# Altium PCB Waffling60-MX.PcbDoc (part 1 of 3) (continued)
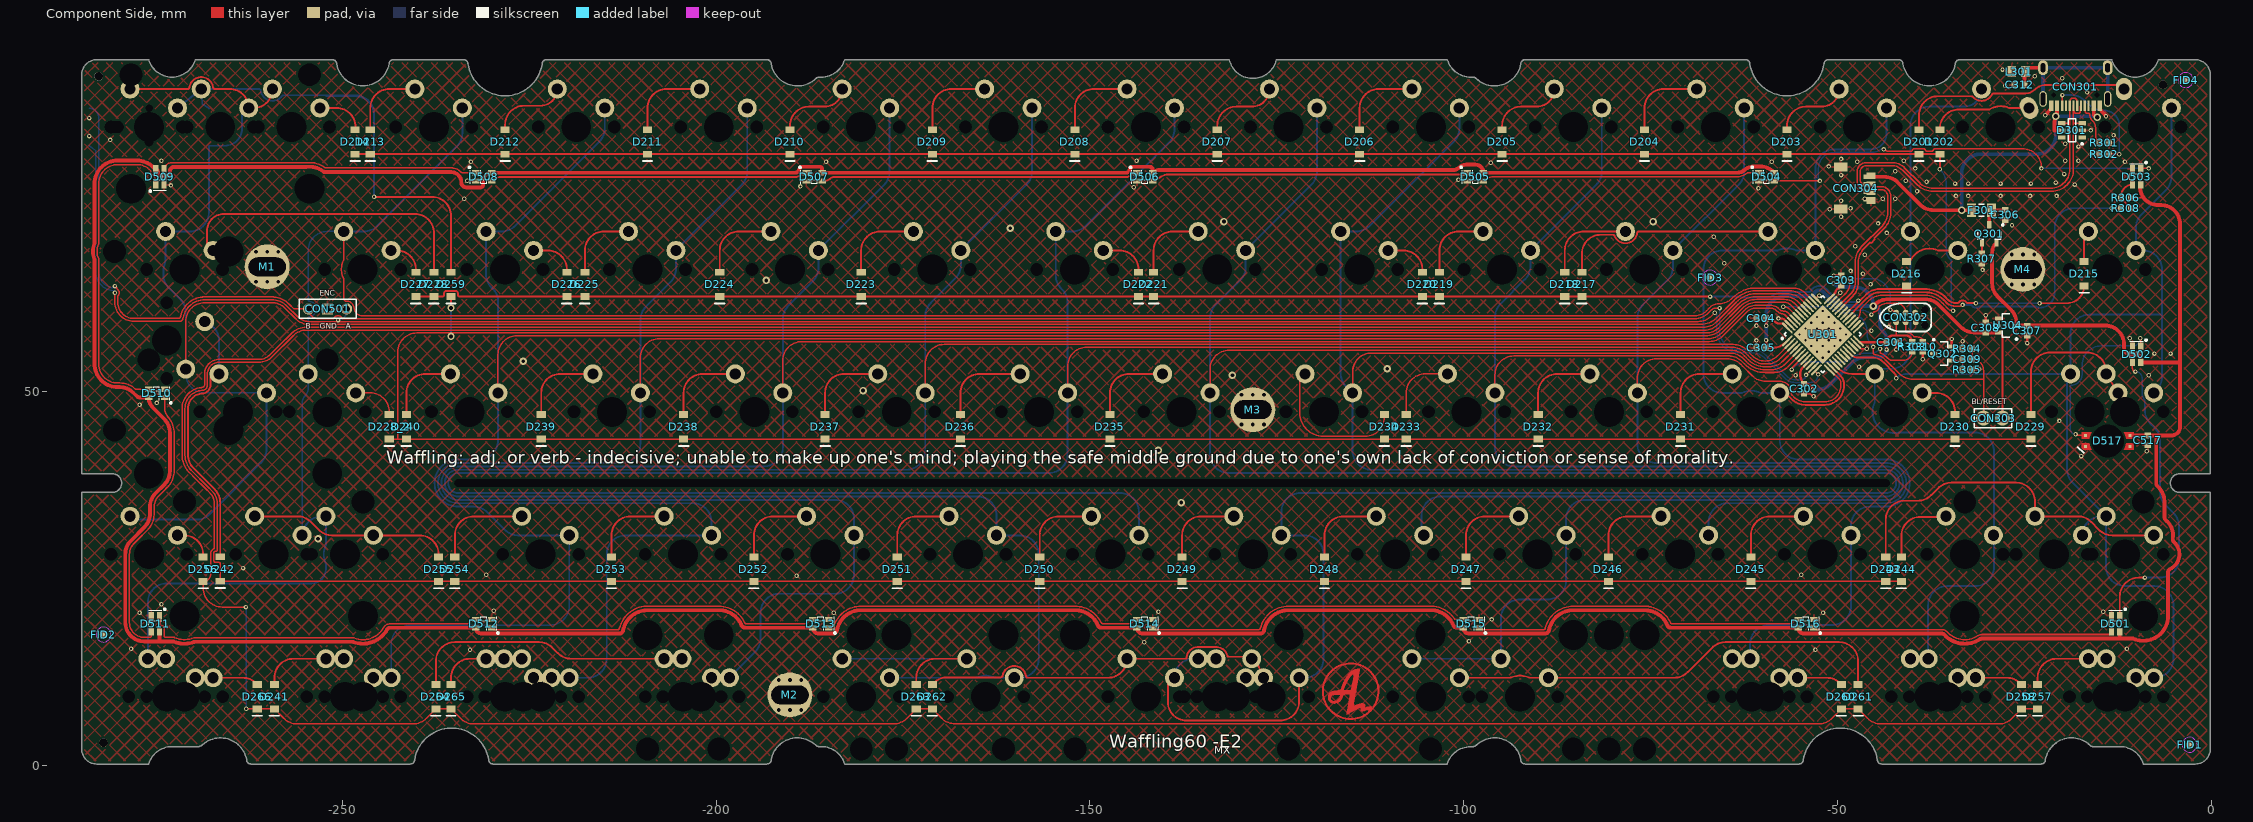
[diagram p0: Component Side view]
## Components (designator, comment, footprint, x,y, rotation, side; value= is the part's Value field where it differs from the comment) (continued)
U304 "XC6206P332MR" SOT-23-3 -27.263,58.871 r180 top
U501 "EC-11 SMD" EC11-SMD -275.85,85.415 r90 bottom locked

## Footprints (in the part's own frame and the unit in brackets; to place one, negate y for a bottom-side part, rotate by r counter-clockwise, add the part's x,y. Pads: shape width x height; smd on the part's side, far side on the other; paste and mask are expansions set on the pad)
C0603[1608] [mm] "Chip Resistor, 2-Leads, Body 1,57x0,80mm, IPC Medium Density"
  rect 0.8x0.85 smd: 1(-0.65,0) 2(0.65,0)
  body extent -0.83,-0.43 0.82,0.43, height 0.5
C1206[3216] [mm]
  rect 1.2x1.8 smd: 1(-1.35,0) 2(1.35,0)
  silkscreen extent -0.35,-0.8 0.35,0.8, body extent -1.6,-0.9 1.6,0.9, height 1.2
EC11-SMD [mm]
  rect 1.5x2 smd: 1(-2.5,8) 2(2.5,8) A(-2.5,-8) B(2.5,-8) C(0,-8)
  rect 2.5x3 smd: M(-6.75,0)
  rect 2.5x2.2 smd: M(6.75,0.508)
  round 0 hole 1.2 unplated: ""(-2,0)
  round 0 hole 1.6 slot 2.2 at 90 deg unplated: ""(0,-4.5)
  round 0 hole 2.1 unplated: ""(0,0)
  round 0 hole 1 unplated: ""(2.5,0)
Fiducial_Nordic [mm]
  round 1 smd paste+0 mask+0.5: 0(0,0)
  Component Side keep-out circle w0.01: c0,0 r1
HDR1X2 [mm] "Connector; Header; 2 Position"
  round 2 hole 0.9 mask+0.102: 1(0,0) 2(2.54,0)
  silkscreen extent -1.27,-1.27 3.81,1.27
HDR1X3 [mm] "Connector; Header; 3 Position"
  round 1.5 hole 0.9 mask+0.102: 1(0,0) 3(5.08,0)
  rect 1.5x1.5 hole 0.9 mask+0.102: 2(2.54,0)
  silkscreen extent -1.27,-1.27 6.35,1.27
L0805 [mm] "based on Sunlord-GZ2012D101TF_C1015 datasheet"
  rect 1.16x1.47 smd: 1(-0.92,0) 2(0.92,0)
  body extent -1.15,-0.72 1.15,0.72, height 1.02
mounting_hole [mm]
  round 1 hole 0.5 paste+0 mask+0: 1(-1.5,-2) 1(-1.5,2) 1(0,-2) 1(0,2) 1(1.5,-2) 1(1.5,2)
  round 6 hole 2.5 slot 5 at 0 deg mask+0: 1(0,0)
MX-switch#1 [mm]
  oval 2.2x3 hole 1.5 rot 155 mask+0.102: 1(-3.81,2.54)
  round 2.54 hole 1.5 mask+0.102: 2(2.54,5.08)
  round 1 hole 1.7 unplated: ""(-5.08,0) ""(5.08,0)
  round 1 hole 4 unplated: ""(0,0)
MX-switch#2 [mm]
  round 2.54 hole 1.5 mask+0.102: 1(-3.81,2.54) 2(2.54,5.08)
  round 1 hole 1.7 unplated: ""(-5.08,0) ""(5.08,0)
  round 1 hole 4 unplated: ""(0,0)
MX-SWITCH [mm]
  round 2.54 hole 1.5 mask+0.102: 1(-3.81,2.54) 2(2.54,5.08)
  round 1 hole 1.7 unplated: ""(-5.08,0) ""(5.08,0)
  round 1 hole 4 unplated: ""(0,0)
"MX-switch - 1.5U" [mm]
  round 2.54 hole 1.5 mask+0.102: 1(-3.81,2.54) 2(2.54,5.08)
  round 1 hole 1.7 unplated: ""(-5.08,0) ""(5.08,0)
  round 1 hole 4 unplated: ""(0,0)
  round 1 on Mech14: ""(0,0)
"MX-SWITCH - 1.5U MOD-L" [mm]
  round 2.54 hole 1.5 mask+0.102: 1(-6.191,2.54) 1(-3.81,2.54) 2(0.159,5.08) 2(2.54,5.08)
  round 1 hole 1.7 unplated: ""(-7.461,0) ""(-5.08,0) ""(2.699,0) ""(5.08,0)
  round 1 on Mech14: ""(-4.763,0) ""(-2.381,0) ""(0,0) ""(4.763,0)
  round 1 hole 4 unplated: ""(-2.381,0) ""(0,0)
"MX-SWITCH - 1.5U MOD-R" [mm]
  round 2.54 hole 1.5 mask+0.102: 1(-3.81,2.54) 1(-1.429,2.54) 2(2.54,5.08) 2(4.921,5.08)
  round 1 hole 1.7 unplated: ""(-5.08,0) ""(-2.699,0) ""(5.08,0) ""(7.461,0)
  round 1 on Mech14: ""(-2.381,0) ""(0,0) ""(2.381,0) ""(4.763,0)
  round 1 hole 4 unplated: ""(0,0) ""(2.381,0)
"MX-SWITCH - 1U MOD-L" [mm]
  round 2.54 hole 1.5 mask+0.102: 1(-6.191,2.54) 1(-3.81,2.54) 2(0.159,5.08) 2(2.54,5.08)
  round 1 hole 1.7 unplated: ""(-7.461,0) ""(-5.08,0) ""(2.699,0) ""(5.08,0)
  round 1 hole 4 unplated: ""(-2.381,0) ""(0,0)
  round 1 on Mech14: ""(-2.381,0) ""(0,0) ""(2.381,0)
"MX-SWITCH - 1U MOD-R" [mm]
  round 2.54 hole 1.5 mask+0.102: 1(-3.81,2.54) 1(-1.429,2.54) 2(2.54,5.08) 2(4.921,5.08)
  round 1 hole 1.7 unplated: ""(-5.08,0) ""(-2.699,0) ""(5.08,0) ""(7.461,0)
  round 1 on Mech14: ""(-4.763,0) ""(-2.381,0) ""(0,0) ""(2.381,0)
  round 1 hole 4 unplated: ""(0,0) ""(2.381,0)
"MX-switch - 3U - rotated stab" [mm]
  round 2.54 hole 1.5 mask+0.102: 1(-3.81,2.54) 2(2.54,5.08)
  round 1.524 hole 3.048 unplated: ""(-19.05,-6.985) ""(19.05,-6.985)
  round 1.524 hole 4 unplated: ""(-19.05,8.255) ""(19.05,8.255)
  round 1 hole 1.7 unplated: ""(-5.08,0) ""(5.08,0)
  round 1 hole 4 unplated: ""(0,0)
  round 1 on Mech14: ""(0,0)
"MX-switch - backspace" [mm]
  round 2.54 hole 1.5 mask+0.102: 1(2.54,5.08) 1(5.715,2.54) 2(-3.81,2.54) 2(12.065,5.08)
  round 1.524 hole 4 unplated: ""(-11.938,-8.255) ""(11.938,-8.255)
  round 1.524 hole 3.048 unplated: ""(-11.938,6.985) ""(11.938,6.985)
  round 1 hole 1.7 unplated: ""(-5.08,0) ""(4.445,0) ""(5.08,0) ""(14.605,0)
  round 1 hole 4 unplated: ""(0,0) ""(9.525,0)
  round 1 on Mech14: ""(0,0) ""(9.525,0)
"MX-SWITCH - CAPS" [mm]
  round 2.54 hole 1.5 mask+0.102: 1(-8.572,2.54) 1(2.54,5.08) 2(-3.81,2.54) 2(-2.222,5.08)
  round 1 hole 1.7 unplated: ""(-9.842,0) ""(5.08,0)
  round 1 hole 4 unplated: ""(-4.763,0) ""(0,0)
  round 1 on Mech14: ""(-4.763,0) ""(0,0)
"MX-SWITCH - L SPLIT SPACE_V2" [mm]
  round 2.54 hole 1.5 mask+0.102: 1(13.335,-2.54) 2(6.985,-5.08)
  round 1.524 hole 4 unplated: ""(-2.413,-8.255)
  round 1.524 hole 3.048 unplated: ""(-2.413,6.985)
  round 1 hole 1.7 unplated: ""(4.445,0) ""(14.605,0)
  round 1 hole 4 unplated: ""(9.525,0)
  round 1 on Mech14: ""(9.525,0)
"MX-SWITCH - LEFT SHIFT" [mm]
  round 2.54 hole 1.5 mask+0.102: 1(-13.335,2.54) 1(2.54,5.08) 2(-6.985,5.08) 2(-3.81,2.54)
  round 1 hole 1.7 unplated: ""(-14.605,0) ""(-5.08,0) ""(-4.445,0) ""(5.08,0)
  round 1.524 hole 4 unplated: ""(-11.938,-8.255) ""(11.938,-8.255)
  round 1.524 hole 3.048 unplated: ""(-11.938,6.985) ""(11.938,6.985)
  round 1 hole 4 unplated: ""(-9.525,0) ""(0,0)
  round 1 on Mech14: ""(-9.525,0) ""(0,0)
"MX-SWITCH - R SPLIT SPACE_V2" [mm]
  round 2.54 hole 1.5 mask+0.102: 1(3.81,-2.54) 2(-2.54,-5.08)
  round 1.524 hole 4 unplated: ""(-11.938,-8.255) ""(11.938,-8.255)
  round 1.524 hole 3.048 unplated: ""(-11.938,6.985) ""(11.938,6.985)
  round 1 hole 1.7 unplated: ""(-5.08,0) ""(5.08,0)
  round 1 hole 4 unplated: ""(0,0)
  round 1 on Mech14: ""(0,0)
"MX-SWITCH - RIGHT SHIFT" [mm]
  round 2.54 hole 1.5 mask+0.102: 1(-13.335,2.54) 1(2.54,5.08) 2(-6.985,5.08) 2(-3.81,2.54)
  round 1 hole 1.7 unplated: ""(-14.605,0) ""(-5.08,0) ""(-4.445,0) ""(5.08,0)
  round 1.524 hole 4 unplated: ""(-11.938,-8.255) ""(11.938,-8.255)
  round 1.524 hole 3.048 unplated: ""(-11.938,6.985) ""(11.938,6.985)
  round 1 hole 4 unplated: ""(-9.525,0) ""(0,0)
  round 1 on Mech14: ""(-9.525,0) ""(0,0)
"MX-SWITCH - SPACE_V3" [mm]
  round 2.54 hole 1.5 mask+0.102: 1(-20.486,2.54) 1(-9.366,5.08) 1(-3.81,2.54) 2(-15.716,2.54) 2(-14.136,5.08) 2(2.54,5.08)
  round 1.524 hole 3.048 unplated: ""(-61.91,-6.985) ""(-57.15,-6.985) ""(38.09,-6.985) ""(57.15,-6.985)
  round 1.524 hole 4 unplated: ""(-61.91,8.255) ""(-57.15,8.255) ""(38.09,8.255) ""(57.15,8.255)
  round 1 hole 1.7 unplated: ""(-21.756,0) ""(-6.826,0) ""(-5.08,0) ""(5.08,0)
  round 1 hole 4 unplated: ""(-16.676,0) ""(-11.906,0) ""(0,0)
  round 1 on Mech14: ""(-16.676,0) ""(-11.906,0) ""(0,0)
"MX-switch - switched pol"#1 [mm]
  oval 2.2x3 hole 1.5 mask+0.102: 1(2.54,5.08)
  round 2.54 hole 1.5 mask+0.102: 2(-3.81,2.54)
  round 1 hole 1.7 unplated: ""(-5.08,0) ""(5.08,0)
  round 1 hole 4 unplated: ""(0,0)
"MX-switch - switched pol"#2 [mm]
  round 2.54 hole 1.5 mask+0.102: 1(2.54,5.08) 2(-3.81,2.54)
  round 1 hole 1.7 unplated: ""(-5.08,0) ""(5.08,0)
  round 1 hole 4 unplated: ""(0,0)
"MX-SWITCH - SWITCHED POL" [mm]
  round 2.54 hole 1.5 mask+0.102: 1(2.54,5.08) 2(-3.81,2.54)
  round 1 hole 1.7 unplated: ""(-5.08,0) ""(5.08,0)
  round 1 hole 4 unplated: ""(0,0)
R0603[1608] [mm] "Chip Resistor, 2-Leads, Body 1,57x0,80mm, IPC Medium Density"
  rect 0.8x0.85 smd: 1(-0.65,0) 2(0.65,0)
  body extent -0.83,-0.43 0.82,0.43, height 0.5
"SK6812MINI-E - shaped" [mm]
  rect 0.4x0.4 smd: 1(3,0.75) 2(3,-0.75) 3(-3,-0.75) 4(-3,0.75)
  round 1 hole 4.4 unplated: ""(0,0)
  Component Side region: -3.5,0.304 -3.5,1.195 -2.157,1.195 -2.345,0.764 -2.447,0.304 -2.447,0.304 -2.449,0.304
  Component Side region: 2.447,0.304 2.345,0.764 2.157,1.195 2.157,1.195 3.5,1.195 3.5,0.304
  Component Side region: 2.157,-1.195 3.5,-1.195 3.5,-0.304 2.449,-0.304 2.447,-0.304 2.345,-0.764 2.157,-1.195
  Component Side region: -3.25,-1.195 -3.5,-0.945 -3.5,-0.304 -2.449,-0.304 -2.447,-0.304 -2.345,-0.764 -2.157,-1.195 -2.157,-1.195
  silkscreen extent -4.06,-1.65 -3.17,-0.76, body extent -2.94,-1.4 2.94,1.4, height 0.94
SOD-123 [mm]
  rect 0.91x1.22 smd: 1(1.635,0) 2(-1.635,0)
  silkscreen extent -2.54,-0.64 -2.54,0.63, body extent -1.87,-0.85 1.88,0.85, height 1.2
SOT-23-3 [mm] "3.3v regulator, used in Windsond S2 proto 1"
  rect 1x0.55 smd: 1(1.2,-0.95) 2(1.2,0.95) 3(-1.2,0)
  silkscreen extent -1.32,-1.55 0.7,1.95, body extent -1.1,-1.5 1.45,1.5, height 1
SOT-23-6 [mm]
  rect 1x0.55 smd: 1(1.375,-0.95) 2(1.375,0) 3(1.375,0.95) 4(-1.375,0.95) 5(-1.375,0) 6(-1.375,-0.95)
  silkscreen extent -0.46,-1.92 1.5,1.55, body extent -1.47,-1.49 1.37,1.44, height 1.05
"Stab 2u" [mil]
  round 60 hole 157.48 unplated: ""(-470,-325) ""(470,-325)
  round 60 hole 120 unplated: ""(-470,275) ""(470,275)
  round 39.37 on Mech14: ""(0,0) ""(0,0)
"Stab 10U" [mil]
  round 60 hole 157.48 unplated: ""(-2625,-325) ""(2625,-325)
  round 60 hole 120 unplated: ""(-2625,275) ""(2625,275)
  round 39.37 on Mech14: ""(0,0)
"STM32 - COMBO 7X7MM" [mm] "LQFP48, 7x7mm"
  oval 0.3x1.45 smd paste-5: 1(-2.75,-4.225) 2(-2.25,-4.225) 3(-1.75,-4.225) 4(-1.25,-4.225) 5(-0.75,-4.225) 6(-0.25,-4.225) 7(0.25,-4.225) 8(0.75,-4.225) 9(1.25,-4.225) 10(1.75,-4.225) 11(2.25,-4.225) 12(2.75,-4.225) 25(2.75,4.225) 26(2.25,4.225) 27(1.75,4.225) 28(1.25,4.225) 29(0.75,4.225) 30(0.25,4.225) 31(-0.25,4.225) 32(-0.75,4.225) 33(-1.25,4.225) 34(-1.75,4.225) 35(-2.25,4.225) 36(-2.75,4.225)
  oval 0.25x0.8 smd: 1(-2.75,-3.4) 2(-2.25,-3.4) 3(-1.75,-3.4) 4(-1.25,-3.4) 5(-0.75,-3.4) 6(-0.25,-3.4) 7(0.25,-3.4) 8(0.75,-3.4) 9(1.25,-3.4) 10(1.75,-3.4) 11(2.25,-3.4) 12(2.75,-3.4) 25(2.75,3.4) 26(2.25,3.4) 27(1.75,3.4) 28(1.25,3.4) 29(0.75,3.4) 30(0.25,3.4) 31(-0.25,3.4) 32(-0.75,3.4) 33(-1.25,3.4) 34(-1.75,3.4) 35(-2.25,3.4) 36(-2.75,3.4)
  oval 0.8x0.25 smd: 13(3.4,-2.75) 14(3.4,-2.25) 15(3.4,-1.75) 16(3.4,-1.25) 17(3.4,-0.75) 18(3.4,-0.25) 19(3.4,0.25) 20(3.4,0.75) 21(3.4,1.25) 22(3.4,1.75) 23(3.4,2.25) 24(3.4,2.75) 37(-3.4,2.75) 38(-3.4,2.25) 39(-3.4,1.75) 40(-3.4,1.25) 41(-3.4,0.75) 42(-3.4,0.25) 43(-3.4,-0.25) 44(-3.4,-0.75) 45(-3.4,-1.25) 46(-3.4,-1.75) 47(-3.4,-2.25) 48(-3.4,-2.75)
  oval 1.45x0.3 smd paste-5: 13(4.225,-2.75) 14(4.225,-2.25) 15(4.225,-1.75) 16(4.225,-1.25) 17(4.225,-0.75) 18(4.225,-0.25) 19(4.225,0.25) 20(4.225,0.75) 21(4.225,1.25) 22(4.225,1.75) 23(4.225,2.25) 24(4.225,2.75) 37(-4.225,2.75) 38(-4.225,2.25) 39(-4.225,1.75) 40(-4.225,1.25) 41(-4.225,0.75) 42(-4.225,0.25) 43(-4.225,-0.25) 44(-4.225,-0.75) 45(-4.225,-1.25) 46(-4.225,-1.75) 47(-4.225,-2.25) 48(-4.225,-2.75)
  rect 5.6x5.6 smd: 47(0,0)
  silkscreen extent -3.65,-4.35 3.65,3.65, body extent -3.52,-3.52 3.52,3.52, height 0.5
TC2030-IDC-NL [mm] "Tag-Connect 6-Pin with No Legs (PN# TC2030-IDC-NL)"
  round 0.9 hole 0.995 unplated: 0(-2.54,0) 0(2.54,-1.016) 0(2.54,1.016)
  round 0.79 smd paste-0.39: 1(-1.27,-0.635) 2(-1.27,0.635) 3(0,-0.635) 4(0,0.635) 5(1.35,-0.635) 6(1.27,0.635)
  silkscreen extent -3.43,-1.91 3.43,1.9
TYPE-C-31-M-12 [mm]
  rect 0.6x1.45 smd: A1B12(-3.25,0) A4B9(-2.45,0) B1A12(3.25,0) B4A9(2.45,0)
  rect 0.3x1.45 smd: A5(-1.25,0) A6(-0.25,0) A7(0.25,0) A8(1.25,0) B5(1.75,0) B6(0.75,0) B7(-0.75,0) B8(-1.75,0)
  oval 1x2.1 / inner oval 1.3x2.4 / far side oval 1.3x2.4 hole 0.6 slot 1.7 at 90 deg: S1(-4.32,-0.915)
  oval 1.3x2 hole 0.6 slot 1.2 at 90 deg: S1(-4.32,-5.095) S1(4.32,-5.095)
  oval 1x2.1 hole 0.6 slot 1.7 at 90 deg: S1(4.32,-0.915)
  round 0 hole 0.65 unplated: ""(-2.89,-1.445) ""(2.89,-1.445)
  body extent -4.47,-7.72 4.47,0.18, height 3.21
UDB_COMBO_JST_MOLEX [mm]
  rect 0.6x1.2 smd: 1(-1.8,2.2) 2(-0.6,2.2) 3(0.6,2.2) 4(1.8,2.2)
  rect 0.6x1.55 smd: 1(-1.5,2.021) 2(-0.5,2.021) 3(0.5,2.021) 4(1.5,2.021)
  rect 0.85x1 smd: 5(-2.94,-1.887) 5(2.94,-1.887)
  rect 1.2x1.8 smd: 5(-2.8,-1.854) 5(2.8,-1.854)
  body extent -3.01,-2.62 2.99,2.33, height 2.96
"WS2812B - 2020" [mm]
  rect 1x0.7 smd: 1(1.065,0.55) 2(-1.065,0.55) 3(-1.065,-0.55) 4(1.065,-0.55)
  silkscreen extent -2.03,-0.89 0.38,1.4, body extent -1.1,-1 1.1,1, height 0.86

## Part data
C301 C302 C303 C304 C305 C312 C517: library part Cap, "Capacitor", LCSC MFG=YAGEO, LCSC Part #=C14663, MRF.Part=CC0603KRX7R9BB104, Version="0603 imperial"
C306 C309: library part Cap, "Capacitor", LCSC MFG="Samsung Electro-Mechanics", LCSC Part #=C19666, MRF.Part=CL10A475KO8NNNC, Version="0603 imperial"
C307 C308: library part Cap, "Capacitor", LCSC MFG="Samsung Electro-Mechanics", LCSC Part #=C15849, MRF.Part=CL10A105KB8NNNC, Version="0603 imperial"
C310: library part Cap, "Capacitor", LCSC MFG="Samsung Electro-Mechanics", LCSC Part #=C1623, MRF.Part=CL10B474KA8NNNC, Version="0603 imperial"
CON301: LCSC MFG="Korean Hroparts Elec", LCSC Part #=C165948, MRF.Part=TYPE-C-31-M-12
CON302: library part "Header 3X2", "Header, 3-Pin, Dual row"
CON303: "Header, 2-Pin"
CON304: "JST for USB daughter board", LCSC MFG="BOOMELE(Boom Precision Elec)", LCSC Part #=C145956, MRF.Part=C145956
CON501: "Header, 3-Pin"
D201 D202 D203 D204 D205 D206 D207 D208 D209 D210 D211 D212 D213 D214 D215 D216 D217 D218 D219 D220 D221 D222 D223 D224 D225 D226 D227 D228 D228_2 D229 D230 D231 D232 D233 D234 D235 D236 D237 D238 D239 D240 D241 D242 D243 D244 D245 D246 D247 D248 D249 D250 D251 D252 D253 D254 D255 D256 D257 D258 D259 D260 D261 D262 D263 D264 D265 D266: "Default Diode", LCSC MFG=ST(Semtech), LCSC Part #=C81598, MRF.Part=1N4148W, Version=SOD-123
D301: LCSC MFG="ProTek Devices", LCSC Part #=C85364, MRF.Part=SRV05-4-P-T7
D501 D502 D503 D504 D505 D506 D507 D508 D509 D510 D511 D512 D513 D514 D515 D516: library part WS2812B, LCSC MFG=Worldsemi, LCSC Part #=C965555, MRF.Part=WS2812B-2020
D517: LCSC MFG=TONYU, LCSC Part #=C524051, MRF.Part=DY-S352818/RGBC/6812-2T
F301: "Thermal Fuse", LCSC MFG="Shenzhen JDT Fuse", LCSC Part #=C135338, MRF.Part=ASMD1206-050
L301: LCSC MFG=Sunlord, LCSC Part #=C1015, MRF.Part=GZ2012D101TF, Version="0806 imperial"
Q301: "P-Channel Power MOSFET", LCSC MFG="Vishay Intertech", LCSC Part #=C10487, MRF.Part=SI2301CDS-T1-GE3, Version=SOT23-3
Q302: library part MOSFET-N, "N-Channel MOSFET", LCSC MFG="Changjiang Electronics Tech (CJ)", LCSC Part #=C8545, MRF.Part=2N7002
R301 R302: "Resistor", LCSC MFG="Uniroyal Elec", LCSC Part #=C23186, MRF.Part=0603WAF5101T5E, Version="0603 imperial"
R303 R304 R306 R307: "Resistor", LCSC MFG="Uniroyal Elec", LCSC Part #=C25804, MRF.Part=0603WAF1002T5E, Version="0603 imperial"
R305: "Resistor", LCSC MFG="Uniroyal Elec", LCSC Part #=C25803, MRF.Part=0603WAF1003T5E, Version="0603 imperial"
R308: "Resistor", LCSC MFG="UNI-ROYAL(Uniroyal Elec)", LCSC Part #=C23179, MRF.Part=0603WAF4700T5E, Version="0603 imperial"
S201 S202 S203 S204 S205 S206 S207 S208 S209 S210 S211 S212 S213 S214 S216 S217 S218 S219 S220 S221 S222 S223 S224 S225 S226 S227 S228 S228_2 S229 S230 S231 S232 S233 S234 S235 S236 S237 S238 S239 S240 S241 S242 S242_1 S243 S244 S245 S246 S247 S248 S249 S250 S251 S252 S253 S254 S256 S257 S258 S259 S260 S261 S261_1 S262 S262_1 S263 S263_1 S264 S264_1 S265 S265_1 S266 S269: library part SW-PB, "Switch"
S215: library part SW-PB, "TAB"
U301: LCSC MFG=Geehy, LCSC Part #=C915660, MRF.Part=APM32F072CBT6
U304: library part "SOT23 LDO", LCSC MFG="Torex Semicon", LCSC Part #=C5446, MRF.Part=XC6206P332MR
U501: library part EC-11

## Free pads (board coordinates)
  round 1.152 hole 1.152 unplated paste+0.148 mask+0.148: ""(-282.575,92.202) ""(-281.94,3.048) ""(-6.477,91.059)
  round 0 hole 1 slot 192 at 0 deg unplated: ""(-139,37.79)

## Via types
v1: diameter 0.6, hole 0.3, Component Side to Bottom Layer, tented both sides, 163 vias
v2: diameter 0.6, hole 0.3, Component Side to Bottom Layer, tented bottom, 25 vias
v3: diameter 1, hole 0.5, Component Side to Bottom Layer, tented both sides, 14 vias
v4: diameter 1, hole 0.6, Component Side to Bottom Layer, tented both sides, 3 vias

## Nets (pads, with @x,y where several pads share a name; then routed paths per layer and width w, separated by ;. In a path a pad name is that pad's centre, name@x,y a point inside that pad or via, vN(x,y) a via of type N, cw(c..) or ccw(c..) an arc to the next point about the centre after c; other vN are vias at no path point)
BOOT0: C309.1 CON303.1 R304.1 U301.44 | length 44.3
  Component Side w0.203: v1(-57.277,61.383) cw(c-57.277,60.075) -56.838,61.307 cw(c-57.277,60.075) -56.352,61 U301.44@-55.488,60.136 ; v1(-45.212,56.007) -45.212,55.185 ccw(c-45.009,55.186) -45.042,54.985 cw(c-45.466,52.306) -44.855,54.949 cw(c-45.466,52.306) -43.55,54.226 cw(c-45.466,52.306) -43.548,54.224 -41.757,52.433 ccw(c-39.961,54.229) -39.961,51.689 -30.48,51.689 ; R304.1@-31.989,55.753 C309.1@-31.989,54.356 cw(c-31.989,52.847) -30.48,52.847 -30.48,51.689 ; CON303.1@-30.48,46.482 -30.48,51.689
  Bottom Layer w0.203: v1(-57.277,61.383) -51.265,61.383 cw(c-51.265,61.12) -51.186,61.371 cw(c-51.247,61.177) -51.127,61.341 ccw(c-48.739,64.565) -48.739,60.553 -48.598,60.553 cw(c-48.598,58.013) -46.058,58.013 -46.058,57.906 ccw(c-43.518,57.906) -45.314,56.109 v1(-45.212,56.007)
col1: S201.2 S215.2 S229.1 S243.2 S257.1 U301.20 | length 150.2
  Component Side w0.254: -42.466,52.564 -43.837,53.935 ccw(c-45.466,52.306) -45.466,54.61 -47.498,54.61 cw(c-47.498,55.437) U301.20@-47.991,54.773 ; -42.465,52.563 cw(c-43.214,51.816) -42.164,51.95 cw(c-43.214,51.816) v1(-42.156,51.816) ; S229.1@-18.834,52.395 S229.1@-18.834,52.451 ; S229.1@-8.326,49.855 S229.1@-7.721,49.855 ; U301.20@-47.991,54.773 cw(c-47.498,55.437) -48.083,54.852 U301.20@-48.452,55.222 -48.44,55.222 U301.20@-47.991,54.773
  Bottom Layer w0.254: v1@-42.164,51.816 v1(-42.156,51.816) cw(c-40.758,50.418) -40.758,52.395 S229.1@-18.834,52.395 ; S243.2@-17.246,30.805 cw(c-14.706,30.805) -14.706,33.345 S243.2@-14.071,33.345 ; S257.1@-7.721,11.755 -7.62,11.755 ccw(c-7.62,14.295) -5.08,14.295 -5.08,21.463 ccw(c-7.62,21.463) -7.62,24.003 -11.531,24.003 cw(c-11.531,26.543) -14.071,26.543 S243.2@-14.071,33.345 ; S229.1@-7.721,49.855 -7.348,50.228 ccw(c-9.144,52.024) -6.604,52.024 -6.604,60.325 ; S201.2@-5.34,87.955 -5.34,78.77 cw(c-7.88,78.77) -6.084,76.974 -9.359,73.699 ccw(c-7.562,71.903) -10.102,71.903 S215.2@-10.102,68.905 -9.144,68.905 cw(c-9.144,66.365) -6.604,66.365 -6.604,60.325 ; S229.1@-18.834,52.395 ccw(c-18.834,51.925) -19.304,51.925 -19.304,39.63 ccw(c-16.764,39.63) -18.56,37.834 S243.2@-14.071,33.345 ; S229.1@-18.834,52.395 -18.834,57.785 cw(c-16.294,57.785) -16.294,60.325 -6.604,60.325
col2: S202.2 S216.2 S230.2 S244.1 S258.2 U301.15 | length 113.2
  Component Side w0.254: U301.15@-50.22,53.454 -49.905,53.139 ccw(c-48.109,54.935) -48.109,52.395 S230.2@-45.027,52.395
  Bottom Layer w0.254: S258.2@-37.883,14.295 -37.883,21.463 cw(c-35.343,21.463) -35.343,24.003 -31.623,24.003 ccw(c-31.623,26.543) -29.083,26.543 -29.083,42.008 ccw(c-31.623,42.008) -31.623,44.548 ccw(c-31.643,44.548) -31.643,44.568 -41.825,44.568 cw(c-42.487,47.315) -45.051,48.504 ccw(c-45.281,48.611) -45.027,48.612 S230.2@-45.027,52.395 cw(c-44.337,52.395) -44.337,53.086 -42.805,53.086 ccw(c-42.805,55.626) -40.265,55.626 S216.2@-40.265,71.445 -40.265,85.598 cw(c-37.725,85.598) -37.725,88.138 -33.097,88.138 ccw(c-33.097,90.495) S202.2@-30.74,90.495
col3: S203.2 S217.2 S231.2 S245.2 S260.2 U301.14 | length 149.6
  Component Side w0.254: S231.2@-57.511,49.855 S231.2@-57.727,49.855 cw(c-57.727,48.019) -56.429,49.317 -56.116,49.004 ccw(c-54.32,50.8) -54.32,48.26 -51.689,48.26 ccw(c-51.689,50.8) -49.149,50.8 -49.149,51.054 ccw(c-50.651,51.054) -49.589,52.116 U301.14@-50.573,53.101
  Bottom Layer w0.254: S260.2@-61.696,14.295 -61.696,16.256 cw(c-59.156,16.256) -59.156,18.796 -50.742,18.796 ccw(c-50.742,21.336) -48.202,21.336 S245.2@-48.202,30.805 -48.202,32.102 cw(c-45.662,32.102) -45.662,34.642 -43.5,34.642 ccw(c-43.5,37.79) -43.5,40.938 -55.187,40.938 cw(c-55.187,43.478) -57.727,43.478 S231.2@-57.727,49.855 -60.242,49.855 cw(c-60.242,50.109) -60.349,49.879 ccw(c-61.537,47.315) -62.726,49.879 cw(c-62.833,50.109) -62.833,49.855 -65.405,49.855 cw(c-65.405,52.395) -67.945,52.395 -67.945,66.365 cw(c-65.405,66.365) -65.405,68.905 -61.849,68.905 -58.071,68.905 ccw(c-58.071,69.159) -57.964,68.929 cw(c-56.775,66.365) -55.586,68.929 ccw(c-55.479,69.159) -55.479,68.905 S217.2@-52.965,68.905 -52.965,79.883 cw(c-50.425,79.883) -50.425,82.423 -45.599,82.423 ccw(c-45.599,84.582) -43.44,84.582 S203.2@-43.44,87.955
col4: S204.2 S218.2 S232.2 S246.2 U301.13 | length 158
  Component Side w0.203: S232.2@-76.777,49.855 -76.777,51.877 cw(c-74.237,51.877) -76.622,52.752 cw(c-74.237,51.877) -74.237,54.417 -64.74,54.417 cw(c-64.74,51.877) -62.944,53.673 -62.801,53.53 ; -62.715,53.444 -61.42,52.149 ccw(c-59.624,53.945) -59.624,51.405 -57.789,51.405 cw(c-57.727,49.855) -56.18,49.744 ccw(c-55.977,49.73) -56.122,49.588 -55.828,49.294 ccw(c-54.32,50.8) -54.32,48.669 -51.689,48.669 ccw(c-51.689,50.8) -49.558,50.8 -49.558,51.054 ccw(c-50.651,51.054) -49.723,51.633 ccw(c-49.896,51.525) -49.751,51.668 -50.769,52.686 ccw(c-50.912,52.541) U301.13@-50.844,52.733 ; U301.13@-50.473,52.39 -50.771,52.688 ccw(c-50.914,52.544) -50.843,52.734 U301.13@-50.844,52.733 ; U301.13@-50.844,52.733 ccw(c-50.912,52.541) -50.852,52.735 ccw(c-50.927,52.493) U301.13@-50.927,52.747 -50.879,52.698 U301.13@-50.844,52.733
  Bottom Layer w0.254: S246.2@-67.252,30.805 -67.252,32.556 cw(c-64.712,32.556) -64.712,35.096 -43.5,35.096 ccw(c-43.5,37.79) -43.5,40.484 -74.237,40.484 cw(c-74.237,43.024) -76.777,43.024 S232.2@-76.777,49.855 -76.777,59.838 cw(c-74.237,59.838) -76.034,61.634 -72.759,64.909 ccw(c-74.555,66.705) -72.015,66.705 S218.2@-72.015,68.905 -63.234,77.686 ccw(c-65.03,79.482) -62.49,79.482 S204.2@-62.49,87.955
col5: S205.2 S219.2 S233.2 S247.2 S261.2 S261_1.2 U301.6 | length 239.2
  Component Side w0.203: S233.2@-95.827,49.855 -95.827,52.26 cw(c-93.287,52.26) -95.722,52.985 cw(c-93.287,52.26) -93.287,54.8 -64.581,54.8 cw(c-64.581,52.26) -62.785,54.056 -62.451,53.722 ccw(c-59.696,56.475) -62.445,53.716 ccw(c-59.696,56.475) -59.696,52.58 -58.474,52.58 ccw(c-58.474,55.12) -56.678,53.324 U301.6@-55.134,54.868
  Bottom Layer w0.254: S261_1.2@-106.939,14.295 S261.2@-95.033,14.295 -95.033,19.685 cw(c-92.493,19.685) -92.493,22.225 -88.842,22.225 ccw(c-88.842,24.765) -86.302,24.765 S247.2@-86.302,30.805 -86.302,33.01 cw(c-83.762,33.01) -83.762,35.55 -43.5,35.55 ccw(c-43.5,37.79) -43.5,40.03 -93.287,40.03 cw(c-93.287,42.57) -95.827,42.57 S233.2@-95.827,49.855 -95.827,59.965 cw(c-93.287,59.965) -95.084,61.761 -91.809,65.036 ccw(c-93.605,66.832) -91.065,66.832 S219.2@-91.065,68.905 -82.284,77.686 ccw(c-84.08,79.482) -81.54,79.482 S205.2@-81.54,87.955
col6: S206.2 S220.2 S234.2 S248.2 U301.5 | length 266.5
  Component Side w0.203: S234.2@-114.877,49.855 -114.877,52.378 ; U301.5@-55.488,55.222 -57.002,53.707 cw(c-58.798,55.503) -58.798,52.963 -59.696,52.963 cw(c-59.696,56.475) -62.175,53.988 cw(c-59.696,56.475) -62.18,53.993 -62.26,54.072 -62.626,54.439 ccw(c-64.422,52.643) -64.422,55.183 -112.337,55.183 ccw(c-112.337,52.643) -114.337,54.209 ; -114.877,52.378 cw(c-111.502,52.378) -114.337,54.209 ; -114.877,52.378 -114.877,52.643 cw(c-112.337,52.643) -114.337,54.209
  Bottom Layer w0.254: S248.2@-105.352,30.805 cw(c-105.352,31.752) -105.63,30.847 -105.63,33.464 cw(c-103.09,33.464) -103.09,36.004 -43.5,36.004 ccw(c-43.5,37.79) -43.5,39.576 -112.337,39.576 cw(c-112.337,42.116) -114.877,42.116 S234.2@-114.877,49.855 -115.721,50.699 cw(c-113.925,52.495) -116.465,52.495 S220.2@-116.465,71.445 -114.392,71.445 ccw(c-114.392,73.985) -112.596,72.189 -101.334,83.451 ccw(c-103.13,85.247) -100.59,85.247 S206.2@-100.59,87.955
col7: S207.2 S221.2 S235.2 S249.2 S262.1 S262_1.1 U301.4 | length 377.8
  Component Side w0.203: S235.2@-133.927,49.855 -133.927,53.026 cw(c-131.387,53.026) -133.381,54.6 cw(c-131.387,53.026) -131.387,55.566 -64.264,55.566 cw(c-64.264,53.026) -62.468,54.822 -62.243,54.598 ccw(c-62.098,54.741) -62.242,54.597 -61.909,54.264 ccw(c-59.696,56.475) -61.905,54.26 ccw(c-59.696,56.475) -59.696,53.347 -59.122,53.347 ccw(c-59.122,55.887) -57.326,54.091 U301.4@-55.841,55.575
  Component Side w0.254: S262.1@-138.689,11.755 ccw(c-138.689,10.871) -139.573,10.871 -139.573,8.509 ccw(c-137.106,8.509) -137.106,6.042 -136.149,6.042 -124.553,6.042 ccw(c-124.553,8.582) -124.552,6.042 ccw(c-124.553,8.582) -122.013,8.582 S262.1@-122.013,11.755 ; S262.1@-133.443,14.295 S262.1@-133.443,14.605
  Bottom Layer w0.254: S262.1@-138.689,11.755 cw(c-136.149,11.755) -136.149,14.295 -133.443,14.295 S262.1@-133.443,14.351 ; S262.1@-122.013,11.755 -121.285,11.755 ccw(c-121.285,14.295) -118.745,14.295 -118.745,28.265 ccw(c-121.285,28.265) -121.285,30.805 S249.2@-124.402,30.805 -124.402,33.918 cw(c-121.862,33.918) -121.862,36.458 -43.5,36.458 ccw(c-43.5,37.79) -43.5,39.122 -131.387,39.122 cw(c-131.387,41.662) -133.927,41.662 S235.2@-133.927,49.855 -133.927,59.838 cw(c-131.387,59.838) -133.184,61.634 -129.909,64.909 ccw(c-131.705,66.705) -129.165,66.705 S221.2@-129.165,68.905 -120.384,77.686 ccw(c-122.18,79.482) -119.64,79.482 S207.2@-119.64,87.955